# KiCad board Marble.kicad_pcb (continued)
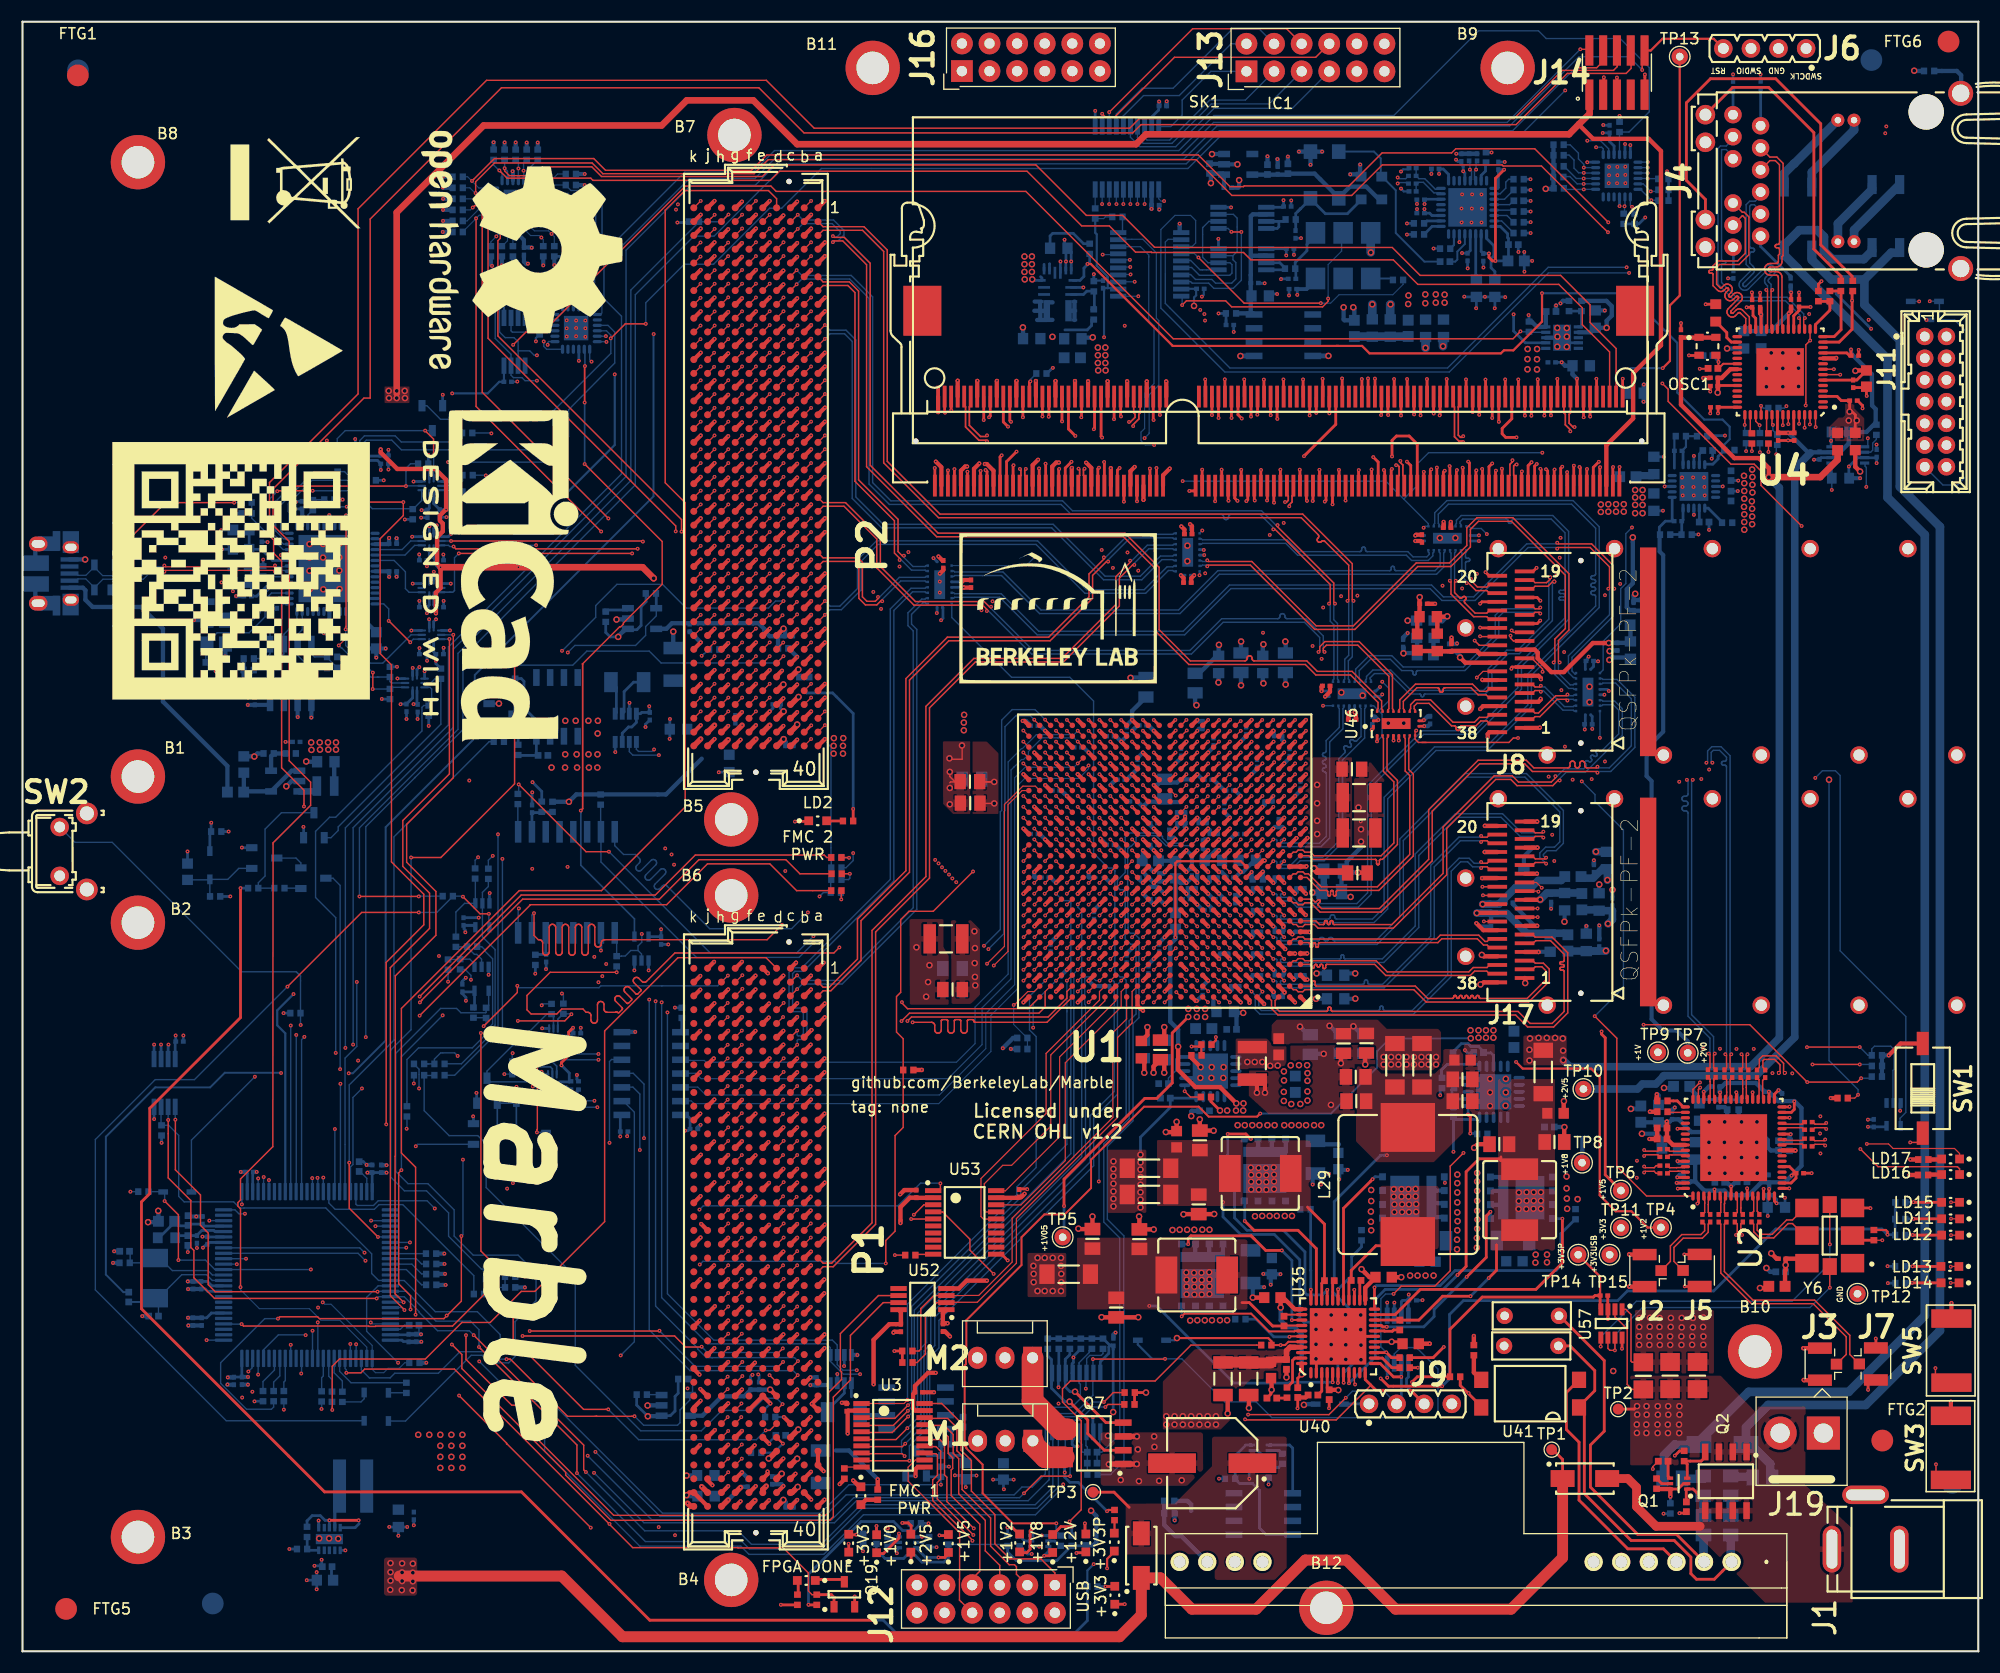
[diagram p0: board, top side]
## Routing (per net, layer and track width the routed paths; a pad name or vN(x,y) marks a point on that pad's centre or on a via; arc(x,y) is an arc through that point) (continued)
/FPGA/FPGA_MGT/MGT_RX_7_P: length 76.1
  Top w0.127: U1.J4 v1(115.12,67.73)
  Bottom w0.13: U50.3 129.89,103.73 129.97,103.81 129.97,104.8 131.09,105.92 142.7,105.92 145.11,103.51 145.11,96.08 138.87,89.84 138.87,86.97 134.82,82.92 130.09,82.92 125.64,78.47 125.64,68.33 124.39,67.07 115.76,67.07 115.45,67.37 115.45,67.66 115.38,67.73 115.12,67.73
/FPGA/FPGA_MGT/MGT_TX_4_N: length 20.9
  Top w0.13: U1.P1 118.4,73.23 118.73,72.9 124.49,72.9 124.52,72.89 124.55,72.88 124.57,72.87 124.59,72.85 124.61,72.82 124.62,72.79 124.62,72.77 124.62,72.53 124.62,72.5 124.63,72.47 124.65,72.45 124.67,72.43 124.69,72.41 124.72,72.4 124.75,72.4 124.78,72.4 124.81,72.41 124.83,72.43 124.85,72.45 124.87,72.47 124.88,72.5 124.88,72.53 124.88,72.77 124.88,72.79 124.89,72.82 124.91,72.85 124.93,72.87 124.95,72.88 124.98,72.89 125.01,72.9 125.17,72.9 126.54,74.27 126.54,80.17 125.59,81.12 125.59,84.04 125.67,84.13 125.67,84.3
/FPGA/FPGA_MGT/MGT_TX_4_P: length 20.8
  Top w0.13: 125.17,84.3 125.17,84.13 125.25,84.04 125.25,80.99 126.21,80.03 126.21,74.4 125.03,73.23 118.87,73.23 118.53,73.56 118.02,73.56 117.83,73.75 117.41,73.75 117.22,73.56 116.95,73.56 U1.P2
/FPGA/FPGA_MGT/MGT_TX_5_N: length 25.1
  Top w0.13: U1.M1 118.22,71.23 118.39,71.06 ; 127.67,84.3 127.67,84.13 127.59,84.04 127.59,81.16 128.01,80.74 128.01,73.21 124.83,70.04 121.04,70.04 121.01,70.03 120.98,70.02 120.95,70.01 120.93,69.99 120.92,69.96 120.91,69.93 120.91,69.91 120.91,69.66 120.9,69.63 120.89,69.6 120.88,69.58 120.86,69.56 120.83,69.54 120.8,69.53 120.78,69.53 120.75,69.53 120.72,69.54 120.69,69.56 120.67,69.58 120.66,69.6 120.65,69.63 120.65,69.66 120.65,69.91 120.64,69.93 120.63,69.96 120.62,69.99 120.6,70.01 120.57,70.02 120.54,70.03 120.52,70.04 120.49,70.03 120.46,70.02 120.43,70.01 120.41,69.99 120.4,69.96 120.39,69.93 120.39,69.91 120.39,69.66 120.38,69.63 120.37,69.6 120.36,69.58 120.34,69.56 120.31,69.54 120.28,69.53 120.26,69.53 120.23,69.53 120.2,69.54 120.17,69.56 120.15,69.58 120.14,69.6 120.13,69.63 120.13,69.66 120.13,69.91 120.12,69.93 120.11,69.96 120.1,69.99 120.08,70.01 120.05,70.02 120.02,70.03 120,70.04 119.41,70.04 118.39,71.06 ; 118.39,71.06 118.41,71.03
/FPGA/FPGA_MGT/MGT_TX_5_P: length 24.2
  Top w0.13: 127.17,84.3 127.17,84.13 127.25,84.04 127.25,81.03 127.68,80.61 127.68,73.35 124.69,70.37 119.55,70.37 118.35,71.56 118.03,71.56 117.84,71.75 117.4,71.75 117.21,71.56 116.95,71.56 U1.M2
/FPGA/FPGA_MGT/MGT_TX_6_N: length 50.6
  Top w0.13: v1(144.95,81.42) 144.84,81.31 144,81.31 143.95,81.32 143.91,81.34 143.86,81.36 143.83,81.4 143.8,81.44 143.79,81.49 143.78,81.54 143.78,81.72 143.77,81.77 143.76,81.81 143.73,81.86 143.7,81.89 143.65,81.92 143.6,81.94 143.55,81.94 143.5,81.94 143.46,81.92 143.41,81.89 143.38,81.86 143.35,81.81 143.34,81.77 143.33,81.72 143.33,81.54 143.32,81.49 143.31,81.44 143.28,81.4 143.25,81.36 143.2,81.34 143.15,81.32 143.1,81.31 143.05,81.32 143.01,81.34 142.96,81.36 142.93,81.4 142.9,81.44 142.89,81.49 142.88,81.54 142.88,81.72 142.87,81.77 142.86,81.81 142.83,81.86 142.8,81.89 142.75,81.92 142.7,81.94 142.65,81.94 142.6,81.94 142.56,81.92 142.51,81.89 142.48,81.86 142.45,81.81 142.44,81.77 142.43,81.72 142.43,81.54 142.42,81.49 142.41,81.44 142.38,81.4 142.35,81.36 142.3,81.34 142.25,81.32 142.2,81.31 139.1,81.31 138.39,82.02 133.96,82.02 129.41,77.47 129.41,72.9 124.89,68.37 119.56,68.37 119.27,68.66 119.25,68.68 119.24,68.7 119.23,68.73 119.23,68.76 119.24,68.79 119.25,68.82 119.27,68.84 119.4,68.97 119.42,68.99 119.43,69.02 119.44,69.05 119.44,69.08 119.43,69.1 119.42,69.13 119.4,69.15 119.38,69.17 119.35,69.18 119.32,69.19 119.29,69.19 119.27,69.18 119.24,69.17 119.22,69.15 119.09,69.02 119.06,69.01 119.04,68.99 119.01,68.99 118.98,68.99 118.95,68.99 118.93,69.01 118.9,69.02 118.7,69.23 U1.K1
  Bottom w0.13: 145.18,89.04 145.36,89.04 145.44,89.13 146.62,89.13 148.07,87.68 148.07,83.35 146.04,81.31 145.06,81.31 v1(144.95,81.42)
/FPGA/FPGA_MGT/MGT_TX_6_P: length 50.6
  Top w0.13: v1(144.95,80.87) 144.84,80.98 138.96,80.98 138.26,81.69 134.1,81.69 129.75,77.33 129.75,72.76 125.02,68.04 119.42,68.04 118.56,68.9 118.02,68.9 117.83,68.71 117.41,68.71 117.22,68.9 116.95,68.9 U1.K2
  Bottom w0.13: 145.18,89.54 145.36,89.54 145.44,89.46 146.75,89.46 148.4,87.82 148.4,83.21 146.17,80.98 145.06,80.98 v1(144.95,80.87)
/FPGA/FPGA_MGT/MGT_TX_7_N: length 46.3
  Top w0.13: v1(141.08,80.55) 141.08,80.39 140.7,80.01 137.68,80.01 137.11,80.59 135.45,80.59 130.75,75.88 130.75,71.61 126.03,66.89 120.74,66.89 120.71,66.89 120.68,66.9 120.66,66.92 120.64,66.94 120.62,66.97 120.61,66.99 120.61,67.02 120.61,67.13 120.6,67.16 120.59,67.19 120.58,67.22 120.56,67.24 120.53,67.25 120.51,67.26 120.48,67.26 120.45,67.26 120.42,67.25 120.4,67.24 120.38,67.22 120.36,67.19 120.35,67.16 120.35,67.13 120.35,67.02 120.34,66.99 120.33,66.97 120.32,66.94 120.3,66.92 120.27,66.9 120.25,66.89 120.22,66.89 120.19,66.89 120.16,66.9 120.14,66.92 120.12,66.94 120.1,66.97 120.09,66.99 120.09,67.02 120.09,67.13 120.08,67.16 120.07,67.19 120.06,67.22 120.04,67.24 120.01,67.25 119.99,67.26 119.96,67.26 119.93,67.26 119.9,67.25 119.88,67.24 119.86,67.22 119.84,67.19 119.83,67.16 119.83,67.13 119.83,67.02 119.82,66.99 119.81,66.97 119.8,66.94 119.78,66.92 119.75,66.9 119.73,66.89 119.7,66.89 119.37,66.89 119.04,67.23 U1.H1
  Bottom w0.13: v1(141.08,80.55) 141.24,80.55 141.92,81.23 143.69,81.23 143.89,81.43 143.91,81.46 143.93,81.49 143.94,81.53 143.94,81.57 143.93,81.61 143.91,81.64 143.89,81.67 143.87,81.69 143.84,81.72 143.83,81.76 143.82,81.8 143.82,81.83 143.83,81.87 143.84,81.91 143.87,81.94 143.9,81.96 143.93,81.98 143.97,81.99 144.01,81.99 144.05,81.98 144.08,81.96 144.11,81.94 144.13,81.92 144.16,81.9 144.2,81.88 144.24,81.87 144.28,81.87 144.31,81.88 144.35,81.9 144.38,81.92 144.41,81.95 144.42,81.99 144.43,82.02 144.43,82.06 144.42,82.1 144.41,82.14 144.38,82.17 144.36,82.19 144.34,82.22 144.32,82.25 144.31,82.29 144.31,82.33 144.32,82.37 144.34,82.4 144.36,82.43 144.39,82.46 144.43,82.48 144.47,82.48 144.51,82.48 144.54,82.48 144.58,82.46 144.61,82.43 144.63,82.42 144.66,82.39 144.69,82.37 144.73,82.37 144.77,82.37 144.81,82.37 144.85,82.39 144.88,82.42 144.9,82.45 144.92,82.48 144.93,82.52 144.93,82.56 144.92,82.6 144.9,82.63 144.88,82.66 144.86,82.68 144.83,82.71 144.82,82.75 144.81,82.79 144.81,82.82 144.82,82.86 144.83,82.9 144.86,82.93 144.89,82.95 144.92,82.97 144.96,82.98 145,82.98 145.04,82.97 145.07,82.95 145.1,82.93 145.12,82.91 145.15,82.89 145.19,82.87 145.23,82.86 145.27,82.86 145.3,82.87 145.34,82.89 145.37,82.91 146.91,84.45 146.91,86.62 146.41,87.13 145.44,87.13 145.36,87.04 145.18,87.04
/FPGA/FPGA_MGT/MGT_TX_7_P: length 46.3
  Top w0.13: U1.H2 116.95,66.9 117.22,66.9 117.42,66.7 117.83,66.7 118.02,66.9 118.9,66.9 119.24,66.56 126.16,66.56 131.07,71.47 131.07,75.74 135.59,80.26 136.97,80.26 137.55,79.68 140.84,79.68 141.32,80.16 v1(141.47,80.16)
  Bottom w0.13: v1(141.47,80.16) 141.47,80.32 142.06,80.9 143.83,80.9 147.24,84.31 147.24,86.76 146.54,87.46 145.44,87.46 145.36,87.54 145.18,87.54
/FPGA/FPGA_MISO: length 43.3
  In4.Cu w0.127: v1(22.68,43.37) 25.45,46.14 v1(56.82,46.14)
  Bottom w0.127: v1(22.68,43.37) 22.68,43.37 22.68,42.31 ; 55.27,51.93 56.17,51.93 56.82,51.29 v1(56.82,46.14)
/FPGA/FPGA_MOSI: length 56.4
  In4.Cu w0.127: v1(24.69,28.21) 25.66,27.23 v1(55.05,27.23)
  Bottom w0.127: v1(55.05,27.23) 56.31,28.49 56.31,49.63 55.27,50.66 ; U54.91 24.69,26.96 v1(24.69,28.21)
/FPGA/FPGA_PWR&MISC/FPGA_INIT: length 117.8
  Top w0.127: U1.G7 111.62,66.22 v1(112.09,65.75)
  In2.Cu w0.127: v1(112.09,65.75) 111.84,65.75 111.48,66.11 110.24,66.11 109.28,67.07 106.97,67.07 106.72,66.83 106.72,64.18 v1(107.09,63.81)
  In4.Cu w0.127: v1(76.45,73.47) 62.1,73.47 60.49,71.86 50,71.86 49.84,72.02 v1(46.92,72.02)
  In7.Cu w0.127: v1(46.24,34.48) 46.24,71.34 v1(46.92,72.02)
  In9.Cu w0.127: v1(76.45,73.47) 76.63,73.3 76.63,70.99 79.51,68.1 100.82,68.1 100.82,68.1 103.5,68.1 103.78,67.82 103.78,67.57 104.25,67.1 104.3,67.1 104.75,66.64 104.75,65.59 104.96,65.39 105.28,65.39 105.78,64.9 105.78,64.54 106.19,64.13 106.42,64.13 106.74,63.81 v1(107.09,63.81)
  Bottom w0.127: R282.1 75.79,72.13 76.45,72.79 v1(76.45,73.47) ; R159.1 v1(46.24,34.48)
/FPGA/FPGA_REF_CLK0_N: length 140.4
  Top w0.13: C96.2 158.15,39.33 158.15,38.43 v1(158.26,38.32)
  In9.Cu w0.13: v1(158.26,38.32) 158.15,38.43 158.15,39.09 159.63,40.57 165.6,40.57 170.82,45.79 170.82,72.75 167.19,76.39 167.19,112.1 166.28,113.01 166.28,123.66 162.55,127.38 152.36,127.38 147.16,132.59 144.44,132.59 138.32,138.71 134.27,138.71 133.33,137.77 133.33,136.51 v1(133.21,136.39)
  Bottom w0.112: U20.5 133.33,135.45
  Bottom w0.127: 133.24,137.19 133.21,137.17 v1(133.21,136.39)
  Bottom w0.13: v1(133.21,136.39) 133.36,136.24 133.36,135.48 U20.5
/FPGA/FPGA_REF_CLK0_P: length 140.4
  Top w0.13: 157.64,39.51 157.82,39.33 157.82,38.43 v1(157.71,38.32)
  In9.Cu w0.13: v1(157.71,38.32) 157.82,38.43 157.82,39.22 159.49,40.9 165.46,40.9 167.05,42.49 167.08,42.52 167.1,42.56 167.11,42.61 167.11,42.65 167.1,42.69 167.08,42.73 167.05,42.77 167.02,42.8 166.99,42.84 166.97,42.88 166.96,42.92 166.96,42.97 166.97,43.01 166.99,43.05 167.02,43.08 167.05,43.11 167.09,43.13 167.14,43.14 167.18,43.14 167.22,43.13 167.26,43.11 167.3,43.08 167.33,43.05 167.37,43.02 167.41,43 167.45,42.99 167.5,42.99 167.54,43 167.58,43.02 167.62,43.05 167.64,43.09 167.66,43.13 167.67,43.17 167.67,43.22 167.66,43.26 167.64,43.3 167.62,43.33 167.58,43.37 167.55,43.4 167.54,43.44 167.53,43.49 167.53,43.53 167.54,43.57 167.55,43.62 167.58,43.65 167.62,43.68 167.66,43.7 167.7,43.71 167.75,43.71 167.79,43.7 167.83,43.68 167.87,43.65 167.9,43.62 167.93,43.59 167.97,43.57 168.02,43.56 168.06,43.56 168.11,43.57 168.15,43.59 168.18,43.62 170.49,45.93 170.49,72.62 166.86,76.25 166.86,111.96 165.95,112.88 165.95,123.52 162.41,127.05 152.23,127.05 147.02,132.26 144.3,132.26 138.18,138.38 134.41,138.38 133.66,137.64 133.66,136.51 v1(133.78,136.39)
  Bottom w0.112: U20.6 133.66,135.45
  Bottom w0.127: v1(133.78,136.39) 133.78,137.08 133.89,137.18
  Bottom w0.13: v1(133.78,136.39) 133.63,136.24 133.63,135.48 U20.6
/FPGA/FPGA_RESETn: length 28.5
  Top w0.127: v1(43.35,33.47) 43.11,33.47 39.58,29.94 32.51,29.94 32.47,29.9 31.89,29.9 31.85,29.94 20.34,29.94 v1(20.16,30.11)
  Bottom w0.102: v1(43.35,33.47) 43.38,33.49 R142.1
  Bottom w0.127: v1(20.16,30.11) 18.53,30.11 U54.4 ; R159.2 R142.1
/FPGA/FPGA_SCK: length 43.5
  In4.Cu w0.127: v1(22.2,43.65) 22.2,43.9 25.12,46.83 54,46.83 v1(54.02,46.8)
  Bottom w0.127: v1(54.02,46.8) 54.02,54.28 54.21,54.47 55.27,54.47 ; v1(22.2,43.65) 22.18,43.64 22.18,42.31
/FPGA/FPGA_SSEL: length 46
  In4.Cu w0.127: v1(21.69,43.53) 21.69,43.77 25.15,47.23 54.33,47.23 54.71,46.85 56.82,46.85 v1(57.2,47.23)
  Bottom w0.127: 21.68,42.31 21.68,43.52 v1(21.69,43.53) ; v1(57.2,47.23) 57.2,52.21 56.21,53.2 55.27,53.2
/FPGA/FPGA_TCK: length 69.3
  Top w0.102: U1.L8 v1(111.12,69.73)
  In2.Cu w0.127: v1(85.94,70.8) 86.62,70.12 93.53,70.12 93.54,70.11 104.94,70.11 104.98,70.14 110.71,70.14 v1(111.12,69.73)
  In4.Cu w0.127: v1(49.65,60.54) 49.65,61.32 50.85,62.53 50.85,64.05 51.65,64.85 53.4,64.85 53.52,64.72 67.98,64.72 69.79,66.53 76.41,66.53 78.62,68.74 83.88,68.74 v1(85.94,70.8)
  Bottom w0.127: R229.1 49.78,60.41 v1(49.65,60.54)
/FPGA/FPGA_TDI: length 75.6
  Top w0.102: U1.R6 v1(113.12,74.73)
  In2.Cu w0.127: v1(113.12,74.73) 112.62,74.73 111.24,73.35 109.97,73.35 108.99,72.36 100.9,72.36 100.63,72.1 97.3,72.1 97.28,72.12 91.64,72.12 91.64,72.12 85.22,72.12 v1(84.94,71.84)
  In4.Cu w0.127: v1(84.94,71.84) 83.14,70.03 71.47,70.03 67.56,66.12 57.41,66.12 57.16,66.37 51.11,66.37 49.6,64.86 49.6,63.08 47.78,61.26 v1(47.78,59.46)
  Bottom w0.127: R215.1 47.91,59.59 v1(47.78,59.46)
/FPGA/FPGA_TDO: length 82.9
  Top w0.102: U1.R7 v1(112.12,74.73)
  In2.Cu w0.127: v1(84.63,72.16) 84.65,72.16 84.85,72.36 100.39,72.36 101.12,73.1 102.3,73.1 102.51,72.88 108.76,72.88 109.98,74.1 111.49,74.1 v1(112.12,74.73)
  In4.Cu w0.127: 70,69.23 67.57,66.79 67.48,66.79 67.47,66.8 50.43,66.8 49.2,65.57 48.23,64.61 44.76,61.14 44.76,53.54 v1(44.35,53.13) ; 70,69.23 71.52,70.74 83.21,70.74 v1(84.63,72.16) ; 70,69.23 69.95,69.18
  Bottom w0.102: R216.1 v1(44.35,53.13)
/FPGA/FPGA_TMS: length 77.7
  Top w0.127: U1.N8 110.62,72.23 v1(111.13,71.72)
  In2.Cu w0.127: v1(85.58,71.14) 86.36,71.14 87.13,70.36 93.83,70.36 93.86,70.34 94.68,70.34 94.69,70.35 94.66,70.36 99.3,70.36 99.31,70.38 101.31,70.38 101.5,70.57 101.5,70.77 101.8,71.07 110.48,71.07 111.12,71.72 v1(111.13,71.72)
  In4.Cu w0.127: v1(85.58,71.14) 83.67,69.23 76.84,69.23 75.97,68.37 72.96,68.37 72.95,68.35 70.67,68.35 67.89,65.57 51.43,65.57 50.29,64.43 50.29,62.78 48.38,60.87 48.38,59.45 45.11,56.18 v1(45.11,55.06)
  Bottom w0.127: R228.1 45.07,55.02 v1(45.11,55.06)
/FPGA/FPGA_XR_GPIO_0: length 47.4
  Top w0.127: U35.9 122.58,24.63 v1(122.65,24.56) ; 83.81,40.44 84.69,40.44 87.2,37.93 87.2,36.92 v1(89.38,34.74)
  In9.Cu w0.102: v1(89.38,34.74) 89.63,34.74 96.69,27.68 116.81,27.68 118.97,25.52 122.2,25.52 122.65,25.07 v1(122.65,24.56)
/FPGA/I2C_APP_3V3_SCL: length 113.4
  In2.Cu w0.127: v1(49.7,124.54) 49.7,125.84 58.59,134.74 67.82,134.74 70.2,137.13 91.79,137.13 94.26,139.59 144.32,139.59 144.83,139.08 v1(144.83,138.45)
  Bottom w0.127: U39.19 49.7,124.66 v1(49.7,124.54) 48.32,124.54 47.39,123.61 47.39,122.01 46.81,121.43 45.08,121.43 44.96,121.55 U59.2 ; v1(144.83,138.45) 145.34,138.45 145.48,138.3 U34.19
/FPGA/I2C_APP_3V3_SDA: length 111.4
  In2.Cu w0.127: v1(144.02,139.05) 95.11,139.05 92.64,136.58 70.24,136.58 68.02,134.36 59.15,134.36 50.2,125.4 v1(50.2,124.73)
  Bottom w0.127: v1(144.02,139.05) 145.23,139.05 145.98,138.3 U34.20 ; 50.2,124.28 U39.20 v1(50.2,124.73) 49.59,125.34 R28.2 46.47,124.9 45.72,124.15 45.72,124.15 45.61,124.04 U59.3
/FPGA/I2C_APP_SCL: length 270.4
  Top w0.127: v1(145.25,28.05) 145.27,28.07 U57.5 ; v1(166.34,37.46) 166.33,37.47 Y6.8 166.85,40.6
  In2.Cu w0.127: v1(58.82,59.73) 58.82,64.96 59.11,65.25 59.11,67.19 58.13,68.18 v1(58.13,83.01) 58.13,92 55.14,94.99 55.14,120.7 54.21,121.64 53.42,121.64 48.74,116.96 v1(47.34,116.96)
  In9.Cu w0.127: v1(145.25,28.05) 145.25,31.55 144.22,32.58 134.31,32.58 133.18,31.44 116.26,31.44 115.99,31.17 104.83,31.17 103.87,32.13 93.46,32.13 90.04,35.55 81.38,35.55 75.92,30.09 75.92,26.41 76.09,26.24 76.09,26.06 76.64,25.51 v1(77.09,25.51)
  Bottom w0.102: R57.1 48.94,133.95 48.69,133.69 U5.15
  Bottom w0.127: v1(58.13,83.01) 57.95,82.83 56.69,82.83 56.5,83.03 U32.5 ; v1(47.34,116.96) 46.25,116.96 45.97,117.24 45.18,117.24 44.96,117.46 U59.7 44.96,119.39 43.51,120.84 43.51,125.16 45.08,126.73 49.7,126.73 52.75,129.78 52.75,132.71 52.02,133.43 50.49,133.43 50,133.93 R57.1 ; v1(145.25,28.05) 145.25,28.94 148.54,32.22 162.86,32.22 166.34,35.7 v1(166.34,37.46) ; v1(58.82,59.73) 58.82,32.55 63.08,28.3 73.99,28.3 74.33,27.95 U17.5 74.33,26.71 75.54,25.51 v1(77.09,25.51)
/FPGA/I2C_APP_SDA: length 268
  Top w0.127: U57.7 146.57,27.71 v1(146.56,27.7) 146.09,27.7 145.92,27.88 U57.6 ; v1(166.34,33.47) 166.33,33.48 Y6.7 166.34,35.43
  In2.Cu w0.127: v1(47.34,119.29) 50.6,119.29 53.38,122.07 54.41,122.07 55.53,120.95 55.53,95.41 58.57,92.37 v1(58.57,82.49) 58.57,68.65 60.17,67.05 60.17,64.74 59.36,63.92 v1(59.36,58.8)
  In9.Cu w0.127: v1(146.56,27.7) 144.8,27.7 144.55,27.96 144.55,31.66 144.02,32.2 134.69,32.2 132.76,30.26 117.11,30.26 116.76,29.92 104.88,29.92 103.49,31.3 93.64,31.3 89.87,35.08 82.41,35.08 76.49,29.16 76.49,26.16 v1(76.78,25.87)
  Bottom w0.102: R75.1 48.97,134.97 48.19,134.19 U5.14
  Bottom w0.127: 45.62,119.7 46.69,119.7 47.1,119.29 v1(47.34,119.29) ; 45.62,119.7 U59.6 ; 45.62,119.7 45.61,120.54 45.23,120.92 44.42,120.92 43.9,121.44 43.9,125.05 45.11,126.25 49.83,126.25 53.34,129.76 53.34,133.59 52.47,134.47 50.48,134.47 50,134.95 R75.1 ; U32.6 55.85,82.81 56.17,82.49 v1(58.57,82.49) ; v1(76.78,25.87) 75.5,25.87 74.98,26.39 U17.6 74.98,28.19 74.53,28.64 63.62,28.64 59.36,32.91 v1(59.36,58.8) ; v1(146.56,27.7) 146.56,29.1 149.09,31.64 164.51,31.64 v1(166.34,33.47)
/FPGA/I2C_CLKMUX_SCL: length 246.8
  Top w0.127: U2.48 153.74,51.72 v1(154.38,52.36) ; v1(145.95,131.54) 139.18,138.31 131.91,138.31 131.53,137.93 125.13,137.93 122.09,134.89 112.44,134.89 112.37,134.82 111.13,134.82 108.22,137.73 68.5,137.73 67.09,136.33 53.65,136.33 52.58,137.4 43.43,137.4 v1(41.37,135.34)
  In2.Cu w0.127: v1(145.95,131.54) 149.43,131.54 153.79,127.17 168.36,127.17 172.39,123.14 172.39,47.01 170.3,44.92 162.96,44.92 159.62,48.26 156.4,48.26 153.74,50.92 153.74,51.72 v1(154.38,52.36)
  Bottom w0.102: R49.1 40.97,135.73 42,134.69 U5.6
/FPGA/I2C_CLKMUX_SDA: length 242.5
  Top w0.127: v1(154.4,51.88) 154.24,51.72 U2.47 ; v1(145.92,130.62) 145.41,131.11 139.8,136.72 136.28,136.72 136.18,136.82 125.14,136.82 122.33,134.01 111.31,134.01 108.01,137.3 68.63,137.3 67.33,136.01 53.41,136.01 52.42,137 43.43,137 41.7,135.27 v1(41.7,134.23)
  In2.Cu w0.127: v1(154.4,51.88) 154.23,51.71 154.23,50.97 155.39,49.8 160.02,49.8 164.33,45.49 169.45,45.49 172.1,48.14 172.1,79.03 172.06,79.07 172.06,122.62 167.96,126.72 152.92,126.72 149.02,130.62 v1(145.92,130.62)
  Bottom w0.102: R50.1 41.17,134.71 41.69,134.19 U5.5
/FPGA/I2C_FPGA_SCL: length 200.5
  Top w0.127: U52.7 79.22,32.09 76.2,29.07 76.2,24.97 74.62,23.4 74.62,12.39 74.29,12.06 54.15,12.06 49.99,16.22 49.99,16.47 40.43,26.03 40.43,27.32 v1(39.52,28.24) ; v1(34.87,44.29) 34.62,44.04 34.62,33.82 35.71,32.73 v1(35.71,31.47)
  In2.Cu w0.127: v1(39.52,28.24) 36.29,31.47 v1(35.71,31.47) 30.22,25.97 27.78,25.97 v1(24.05,22.24)
  In7.Cu w0.127: v1(48.69,130.47) 48.51,130.65 46.93,130.65 45.81,129.52 45.81,127.75 39.93,121.86 39.93,107.08 36.88,104.04 36.88,95.04 37.57,94.35 37.57,88.27 36.02,86.71 36.02,85.65 36.13,85.54 36.13,62.61 38.67,60.07 v1(38.67,58.54)
  Bottom w0.102: U5.19 46.64,131.23 47.12,130.75 48.41,130.75 v1(48.69,130.47) 48.94,130.22 R39.2
  Bottom w0.127: v1(34.87,44.29) 34.87,54.74 v1(38.67,58.54) ; v1(24.05,22.24) R136.1
/FPGA/I2C_FPGA_SDA: length 209
  Top w0.127: v1(23.51,30.62) 23.69,30.79 27.15,30.79 27.33,30.62 38.78,30.62 40.39,32.23 v1(40.39,38.22) ; v1(40.81,29.1) 40.81,26.86 45.03,22.65 45.59,22.65 46.51,21.72 46.51,20.41 54.41,12.51 73.91,12.51 74.19,12.79 74.19,23.83 75.37,25.01 75.37,25.73 75.27,25.83 75.27,29.24 78.78,32.74 U52.6
  In2.Cu w0.127: v1(39.04,30.9) 39.04,30.88 v1(40.81,29.1)
  In7.Cu w0.127: v1(47.75,130.14) 47.75,127.9 40.61,120.76 40.61,105.49 38.39,103.27 38.39,100.79 38.82,100.37 38.82,99.62 38.42,99.22 38.42,65.33 37.61,64.53 37.61,61.97 39.32,60.26 39.32,56.89 40.54,55.67 v1(40.54,45.25)
  Bottom w0.102: R40.2 47.93,129.96 47.57,130.32 46.76,130.32 46.14,130.94 U5.20
  Bottom w0.127: v1(23.51,30.62) 22.29,30.62 18.23,26.56 18.23,24.67 20.62,22.28 22.91,22.28 23.11,22.48 R135.1 ; v1(40.39,38.22) 40.54,38.37 v1(40.54,45.25) ; 47.8,130.09 v1(47.75,130.14)
/FPGA/I2C_FPGA_SW_RST: length 170.5
  Top w0.127: 83.81,39.79 83.81,39.79 v1(81.79,39.79)
  In2.Cu w0.127: v1(47.52,23.76) 47.52,45.08 44.76,47.83 44.76,54.87 44.72,54.92 44.72,55.25 44.76,55.29 44.76,76.51 v1(41.12,80.15)
  In4.Cu w0.127: v1(47.52,23.76) 47.55,23.74 60.75,23.74 v1(61.21,24.2)
  In7.Cu w0.127: v1(61.21,24.2) 61.21,33.95 62.2,34.94 76.94,34.94 v1(81.79,39.79) ; v1(41.12,80.15) 41.12,105.02 41.68,105.58 41.68,121.02 43.18,122.52 43.38,122.52 48.63,127.77 48.63,129.16 49.25,129.78 49.25,130.78 48.96,131.07 44.43,131.07 v1(43.61,130.24)
  Bottom w0.102: U5.24 44.14,130.77 v1(43.61,130.24) 43.1,129.73 R41.2
/FPGA/PROG_B: length 287.2
  Top w0.102: U1.P6 v1(113.12,73.73)
  Top w0.127: v1(176.06,26.06) 176.06,24.73 SW5.2 ; v1(87.48,71.78) 83.82,68.11 81.59,68.11 80.82,67.35 80.82,60.65 80.44,60.27 80.44,57 81.06,56.38 R160.2 81.06,48.22 80.31,47.47 80.31,38.67 79.45,37.81 v1(79.45,35.7)
  In2.Cu w0.127: v1(62.33,35.6) 60.05,33.33 v1(60.05,10.68) ; v1(87.48,71.78) 87.52,71.74 90.5,71.74 90.88,71.36 100.49,71.36 101.23,72.1 109.18,72.1 110.1,73.02 112.41,73.02 v1(113.12,73.73)
  In4.Cu w0.127: v1(176.06,26.06) 170.84,31.28 148.58,31.28 147.86,30.56 147.86,30.02 127.23,9.39 93.83,9.39 93.68,9.23 93.11,9.23 93.05,9.3 84.4,9.3 84.21,9.11 81,9.11 80.55,9.56 61.18,9.56 v1(60.05,10.68) ; v1(62.33,35.6) 62.03,35.3 31.21,35.3 30.89,35.63 v1(19.72,35.63)
  Bottom w0.127: v1(79.45,35.7) 74.95,35.7 74.76,35.9 62.62,35.9 v1(62.33,35.6) ; U54.15 19.71,35.64 v1(19.72,35.63)
/FPGA/QSFP1_INT: length 79.8
  Top w0.127: v1(134.41,69.59) 134.43,69.57 135.76,69.57
  In7.Cu w0.127: v1(134.41,69.59) 134.66,69.59 135.73,70.66 135.73,73.96 140.92,79.14 144.55,79.14 152.71,87.3 152.71,98.76 153.12,99.16 153.12,106.22 153.14,106.24 153.14,106.56 153.12,106.58 153.12,108.59 153.03,108.67 153.03,125.77 150.29,128.51 150.29,133.95 v1(149.86,134.38)
  Bottom w0.127: U34.5 149.17,135.07 v1(149.86,134.38) 150.41,134.38 R304.1
/FPGA/QSFP1_LPMODE: length 88.6
  Top w0.102: 135.76,67.17 134.51,67.17 v1(134.5,67.18)
  In7.Cu w0.127: v1(149.58,135.56) 150.77,135.56 151.86,134.46 151.86,129.56 154.53,126.89 154.53,118.81 155.04,118.31 155.04,117.04 154.99,116.99 154.99,109.18 155.16,109.01 155.16,105.7 154.84,105.38 154.84,102.58 154.33,102.07 154.33,84.19 146.89,76.75 145.21,76.75 141.7,73.24 141.7,72.13 140.92,71.34 139.77,71.34 139.06,70.63 139.06,69.12 139.46,68.72 139.68,68.72 139.95,68.44 139.95,67.55 139.56,67.18 v1(134.5,67.18)
  Bottom w0.127: U34.4 149.56,135.57 v1(149.58,135.56) 150.52,135.56 R305.1
/FPGA/QSFP1_MOD_PRS: length 77.4
  Top w0.127: 135.76,70.37 v1(134.36,70.37)
  In7.Cu w0.127: v1(134.36,70.37) 134.61,70.37 135.35,71.12 135.35,74.08 140.87,79.59 144.37,79.59 152.19,87.42 152.19,125.82 149.91,128.11 v1(149.91,133.57)
  Bottom w0.127: U34.6 148.91,134.57 v1(149.91,133.57) 150.52,133.57 R303.1
/FPGA/QSFP1_MOD_SEL: length 85.1
  Top w0.127: v1(139.45,67.58) 139.45,67.57 138.27,67.57
  In7.Cu w0.127: v1(139.45,67.58) 139.42,67.58 137.59,69.41 137.59,75.15 141.22,78.78 144.85,78.78 153.26,87.19 153.26,98.21 153.47,98.43 153.47,106.79 153.41,106.85 153.41,108.34 153.49,108.42 153.49,112.99 153.72,113.22 153.72,125.85 150.8,128.77 150.8,134.23 150.29,134.74 148.18,134.74 147.44,134 v1(147.44,133.01)
  Bottom w0.127: U34.8 147.48,133.05 v1(147.44,133.01) 147.44,132.4 R301.2
/FPGA/QSFP1_RST: length 87.9
  Top w0.127: 138.27,68.37 139.44,68.37 v1(139.44,68.38)
  In7.Cu w0.127: v1(139.44,68.38) 139.44,68.4 137.92,69.92 137.92,74.39 141.93,78.4 145.13,78.4 145.59,78.85 145.59,78.94 146.09,79.44 146.17,79.44 153.84,87.11 153.84,103.88 154.23,104.26 154.23,117.17 154.03,117.37 154.03,119.55 154.02,119.55 154.02,126.3 151.25,129.07 151.25,134.43 150.57,135.12 148,135.12 146.61,133.72 146.61,132.71 146.89,132.43 147.6,132.43 v1(148.13,132.96)
  Bottom w0.127: R302.2 148.13,132.57 v1(148.13,132.96) 147.98,133.11 U34.7
/FPGA/QSFP1_RX_0_N: length 38.2
  Top w0.127: U1.E3 v1(116.12,63.73)
  Top w0.13: 138.27,75.57 138.99,75.57 139.23,75.34 139.86,75.34 v1(139.97,75.45)
  Bottom w0.13: 116.12,63.73 115.85,63.73 115.78,63.67 115.78,63.51 115.89,63.4 118.32,63.4 118.65,63.73 121.22,63.73 121.25,63.73 121.28,63.74 121.3,63.76 121.32,63.78 121.34,63.81 121.35,63.83 121.35,63.86 121.35,63.98 121.35,64.01 121.36,64.04 121.38,64.07 121.4,64.09 121.42,64.1 121.45,64.11 121.48,64.11 121.51,64.11 121.54,64.1 121.56,64.09 121.58,64.07 121.6,64.04 121.61,64.01 121.61,63.98 121.61,63.86 121.61,63.83 121.62,63.81 121.64,63.78 121.66,63.76 121.68,63.74 121.71,63.73 121.74,63.73 125.15,63.73 128.18,66.76 128.18,73.39 131.88,77.1 136.22,77.1 137.97,75.34 139.86,75.34 v1(139.97,75.45)
/FPGA/QSFP1_RX_0_P: length 38.2
  Top w0.127: U1.E4 v1(115.12,63.73)
  Top w0.13: v1(139.97,74.9) 139.86,75.01 139.23,75.01 138.99,74.77 138.27,74.77
  Bottom w0.13: 115.12,63.73 115.38,63.73 115.45,63.66 115.45,63.37 115.76,63.07 118.45,63.07 118.79,63.4 125.29,63.4 128.51,66.62 128.51,73.26 132.02,76.77 136.08,76.77 137.84,75.01 139.86,75.01 v1(139.97,74.9)
/FPGA/QSFP1_RX_1_N: length 31.4
  Top w0.127: U1.C3 v1(116.12,61.73)
  Top w0.13: v1(134.24,75.05) 134.35,74.94 134.8,74.94 135.03,75.17 135.76,75.17
  Bottom w0.13: 116.11,61.73 115.84,61.73 115.77,61.66 115.77,61.5 115.88,61.39 123.35,61.39 123.39,61.4 123.42,61.41 123.45,61.43 123.47,61.45 123.49,61.48 123.5,61.51 123.5,61.54 123.5,61.65 123.51,61.68 123.52,61.71 123.54,61.74 123.56,61.76 123.59,61.78 123.62,61.79 123.65,61.8 123.69,61.79 123.72,61.78 123.75,61.76 123.77,61.74 123.79,61.71 123.8,61.68 123.8,61.65 123.8,61.54 123.81,61.51 123.82,61.48 123.84,61.45 123.86,61.43 123.89,61.41 123.92,61.4 123.95,61.39 125.18,61.39 129.6,65.82 129.6,72.34 132.2,74.94 134.13,74.94 v1(134.24,75.05)
/FPGA/QSFP1_RX_1_P: length 31.4
  Top w0.127: U1.C4 v1(115.12,61.73)
  Top w0.13: v1(134.24,74.5) 134.35,74.61 134.8,74.61 135.03,74.37 135.76,74.37
  Bottom w0.13: 115.11,61.73 115.37,61.73 115.44,61.65 115.44,61.37 115.74,61.06 125.31,61.06 129.93,65.68 129.93,72.21 132.33,74.61 134.13,74.61 v1(134.24,74.5)
/FPGA/QSFP1_RX_2_N: length 36.8
  Top w0.127: U1.B5 114.12,60.73 v1(114.12,60.72)
  Top w0.13: 135.76,72.77 135.03,72.77 134.8,72.54 134.35,72.54 v1(134.24,72.65)
  Bottom w0.13: v1(134.24,72.65) 134.13,72.54 133.6,72.54 133.14,73 132.22,73 131.16,71.95 131.16,62.25 127.9,58.98 125.37,58.98 125.34,58.99 125.31,59 125.28,59.01 125.26,59.04 125.24,59.07 125.23,59.1 125.22,59.13 125.22,59.24 125.22,59.27 125.21,59.3 125.19,59.33 125.17,59.35 125.14,59.37 125.11,59.38 125.07,59.39 125.04,59.38 125.01,59.37 124.98,59.35 124.96,59.33 124.94,59.3 124.93,59.27 124.92,59.24 124.92,59.13 124.92,59.1 124.91,59.07 124.89,59.04 124.87,59.01 124.84,59 124.81,58.99 124.77,58.98 114.01,58.98 113.78,59.21 113.78,60.38 v1(114.12,60.72)